# KiCad board NoU2-panelized2.kicad_pcb (continued)
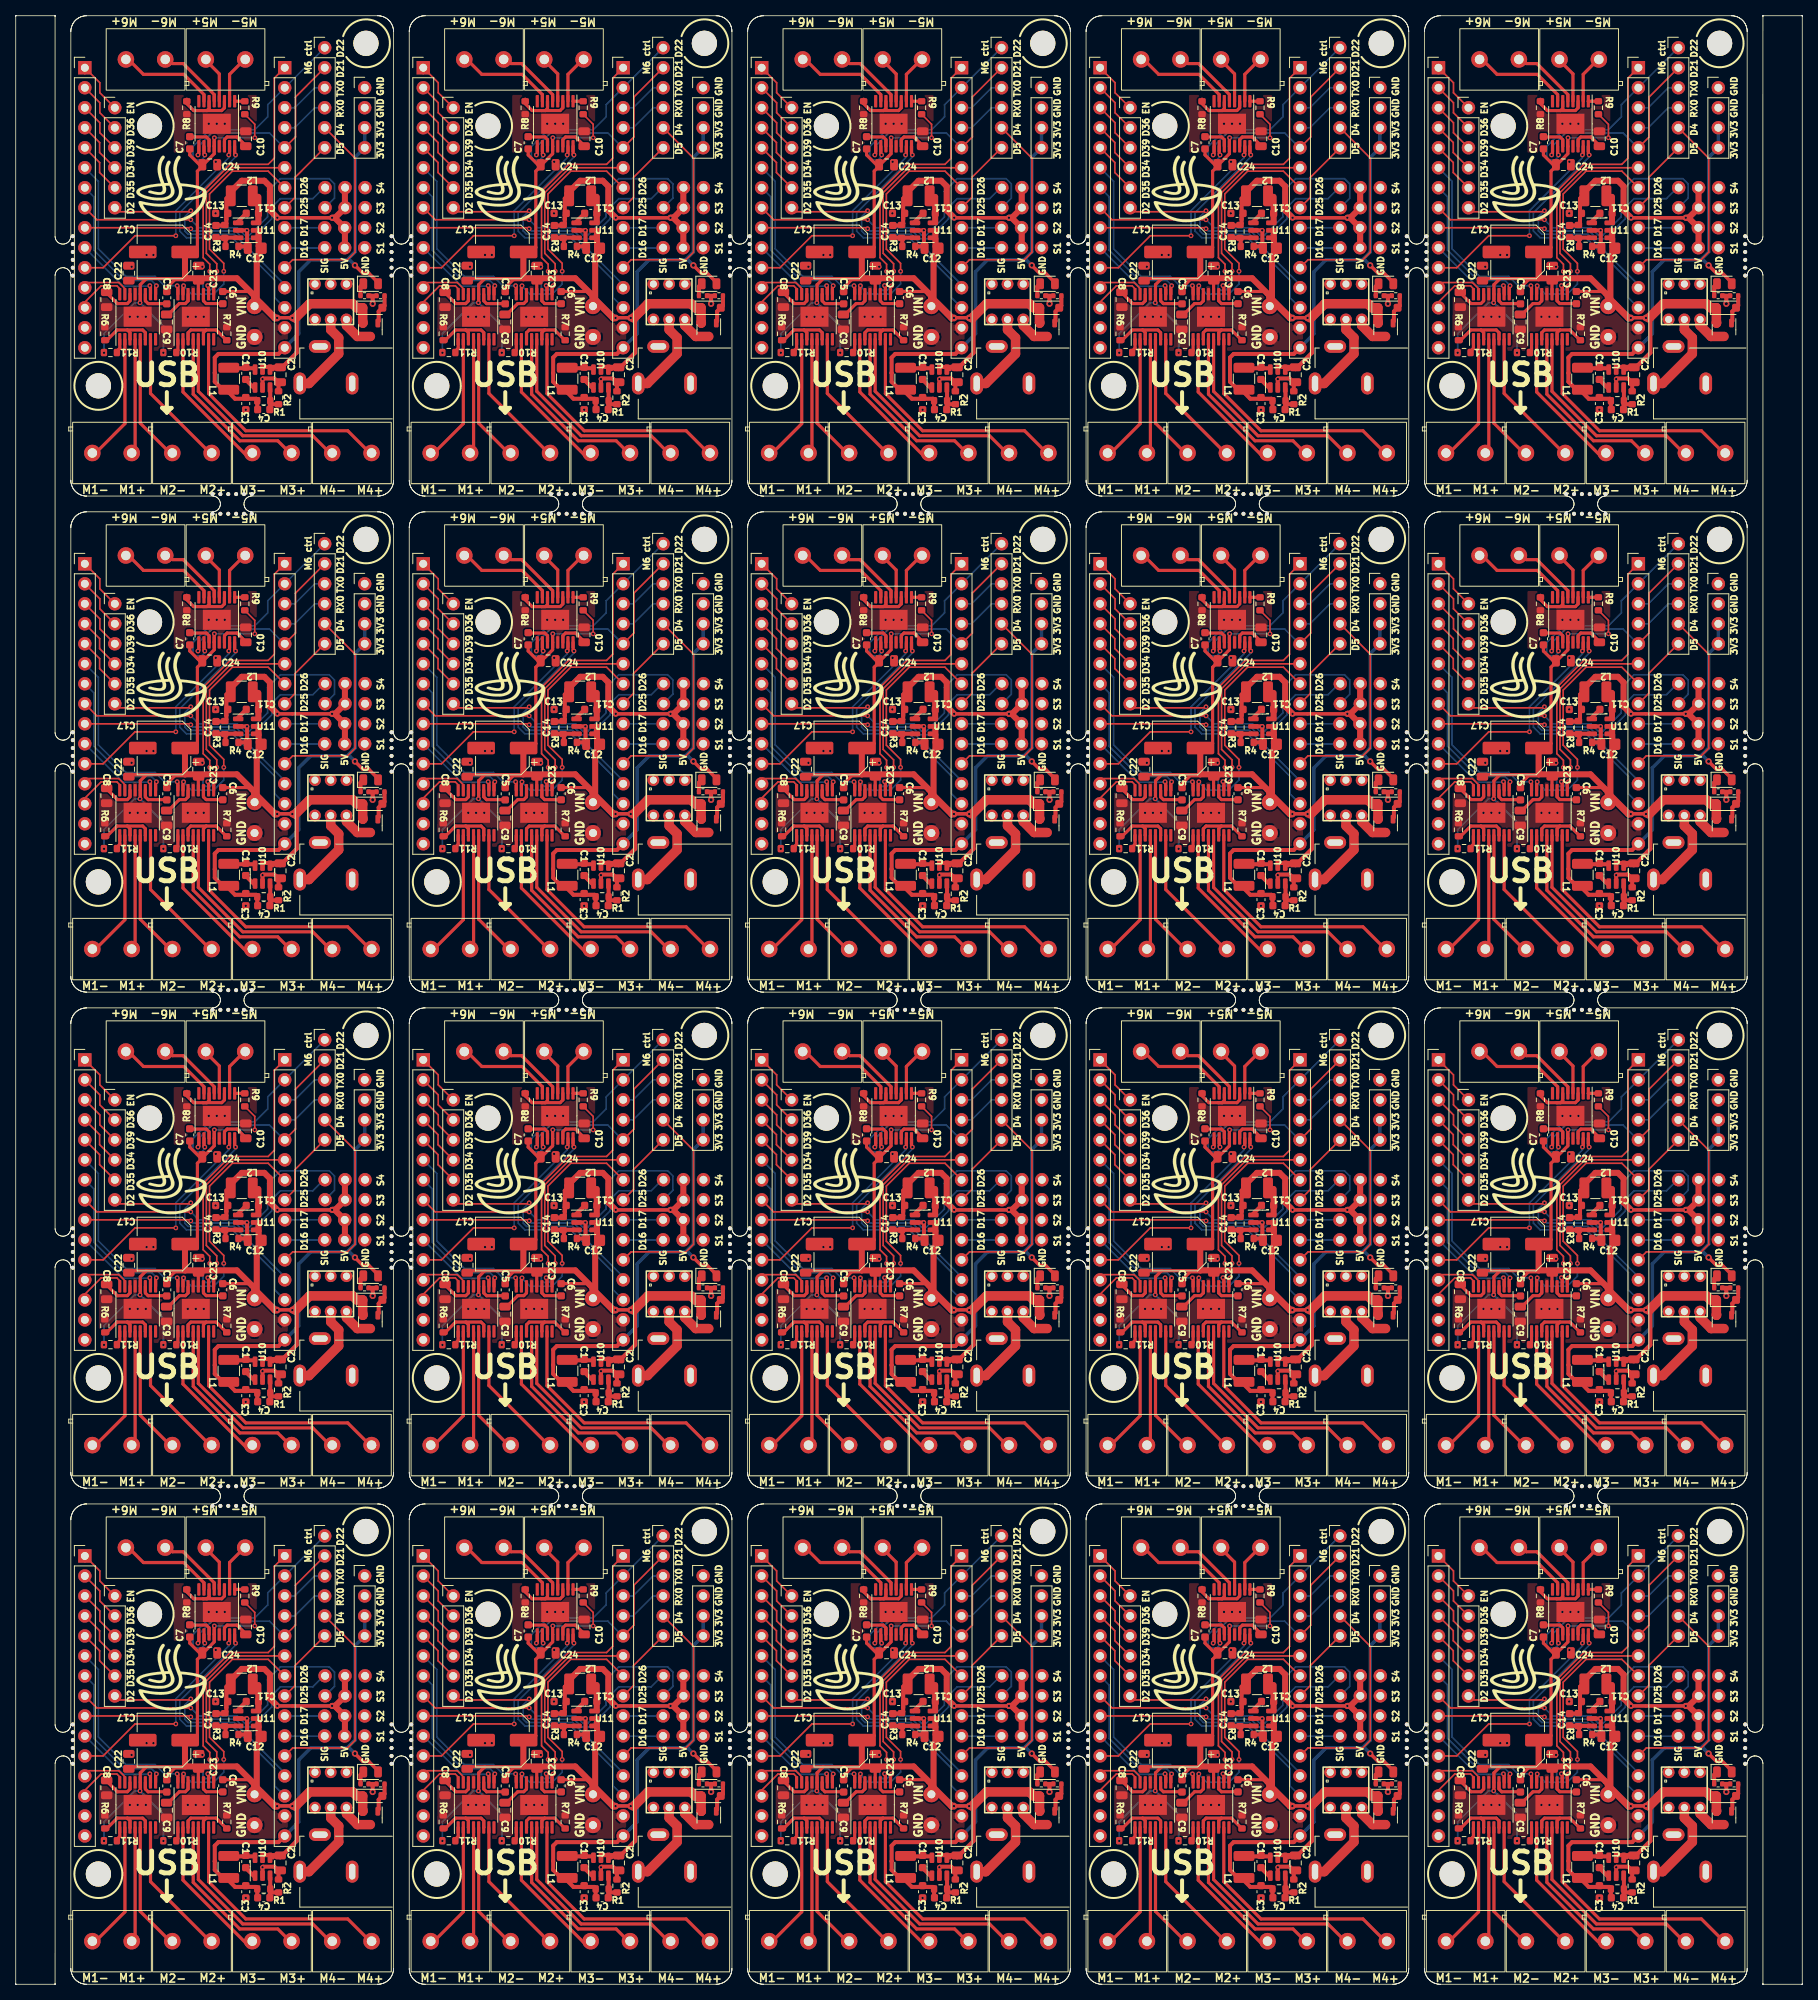
[diagram p0: board, top side]
## Nets (continued)
Board_2-Net-(U10-FB): C4#18.1 R1#9.2 R2#15.1 U10#3.3
Board_2-Net-(U10-LX): C1#18.1 L1#11.1 U10#3.6
Board_2-Net-(U11-BS): C11#17.2 U11#10.1
Board_2-Net-(U11-FB): C14#6.1 R3#19.2 R4#11.1 U11#10.3
Board_2-Net-(U11-LX): C11#17.1 L2#11.1 U11#10.6
Board_2-RX0: J1#11.4 J5#11.4
Board_2-SRV1: J5#11.10 U18#3.4
Board_2-SRV2: J5#11.9 U18#3.3
Board_2-SRV3: J2#14.8 U17#19.4
Board_2-SRV4: J2#14.9 U17#19.3
Board_2-TX0: J1#11.3 J5#11.3
Board_2-unconnected-(U1-nFAULT-Pad8): U1#7.8
Board_2-unconnected-(U2-nFAULT-Pad8): U2#3.8
Board_2-unconnected-(U3-nFAULT-Pad8): U3#12.8
Board_2-unconnected-(U4-Pad1): U4#11.1
Board_2-unconnected-(U4-Pad2): U4#11.2
Board_2-unconnected-(U4-Pad3): U4#11.3
Board_2-unconnected-(U4-Pad4): U4#11.4
Board_2-VIN: C2#17.2 C5#18.1 C6.1 C7#19.1 C12.2 C17#14.1 C22#3.1 C23#7.1 C24#10.1 D3#2.1 J14#4.1 Q1#4.2 R9#9.2 R10#7.2 R11#14.2 U1#7.12 U2#3.12 U3#12.12 U10#3.4 U10#3.5 U11#10.4 U11#10.5
Board_3-3V3: C3#13.2 C4#10.2 D1#20.2 J3#2.3 J3#2.4 J5.15 L1#9.2 R1.1
Board_3-5V: C13#2.2 C14#18.2 L2#13.2 R3.1 U17#5.1 U18#8.1
Board_3-/Sheet6057E9B8/D34: J2#15.4 J4#8.4
Board_3-/Sheet6057E9B8/D35: J2#15.5 J4#8.5
Board_3-/Sheet6057E9B8/D36: J2#15.2 J4#8.2
Board_3-/Sheet6057E9B8/D39: J2#15.3 J4#8.3
Board_3-/Sheet6057E9B8/EN: J2#15.1 J4#8.1
Board_3-/Sheet6057E9B8/EVIN: J2#15.15
Board_3-D2: J4#8.6 J5.12
Board_3-D4: J1#5.5 J5.11
Board_3-D5: J1#5.6 J5.8
Board_3-GND: C2#9.1 C3#13.1 C8#3.2 C9#12.2 C10#4.2 C12#15.1 C13#2.1 C17#2.2 C22.2 C23#6.2 C24#5.2 J2#15.14 J3#2.1 J3#2.2 J5.14 J10#13.2 J13#6.1 R2#17.2 R4#13.2 R5#15.2 R6#9.1 R7#10.1 R8.1 R14.2 U1#2.13 U1#2.17 U2#4.13 U2#4.17 U3#13.13 U3#13.17 U10.2 U11#11.2 U17#5.2 U18#8.2
Board_3-M1A: J2#15.13 U1#2.16
Board_3-M1B: J2#15.12 U1#2.15
Board_3-M2A: J2#15.10 U1#2.10
Board_3-M2B: J2#15.7 U1#2.9
Board_3-M3A: J2#15.6 U3#13.16
Board_3-M3B: J5.7 U3#13.15
Board_3-M4A: J5.6 U3#13.10
Board_3-M4B: J5.1 U3#13.9
Board_3-M5A: J5.13 U2#4.16
Board_3-M5B: J2#15.11 U2#4.15
Board_3-M6A: J1#5.1 J5.2 U2#4.10
Board_3-M6B: J1#5.2 J5.5 U2#4.9
Board_3-Net-(D1-K): D1#20.1 R14.1
Board_3-Net-(D3-A): D3#17.2 Q1#10.1 R5#15.1
Board_3-Net-(J10-Pad1): J10#13.1 U4#17.5
Board_3-Net-(J11-Pin_1): J11#8.1 U1#2.4
Board_3-Net-(J11-Pin_2): J11#8.2 U1#2.2
Board_3-Net-(J15-Pin_1): J15#13.1 U1#2.7
Board_3-Net-(J15-Pin_2): J15#13.2 U1#2.5
Board_3-Net-(J16-Pin_1): J16#11.1 U3#13.4
Board_3-Net-(J16-Pin_2): J16#11.2 U3#13.2
Board_3-Net-(J17-Pin_1): J17#10.1 U3#13.7
Board_3-Net-(J17-Pin_2): J17#10.2 U3#13.5
Board_3-Net-(J18-Pin_1): J18#6.1 U2#4.4
Board_3-Net-(J18-Pin_2): J18#6.2 U2#4.2
Board_3-Net-(J19-Pin_1): J19#6.1 U2#4.7
Board_3-Net-(J19-Pin_2): J19#6.2 U2#4.5
Board_3-Net-(Q1-D): Q1#10.3 U4#17.6
Board_3-Net-(U1-AISEN): R6#9.2 U1#2.3 U1#2.6
Board_3-Net-(U1-nSLEEP): R11.1 U1#2.1
Board_3-Net-(U1-VCP): C5#6.2 U1#2.11
Board_3-Net-(U1-VINT): C8#3.1 U1#2.14
Board_3-Net-(U2-AISEN): R8.2 U2#4.3 U2#4.6
Board_3-Net-(U2-nSLEEP): R9#14.1 U2#4.1
Board_3-Net-(U2-VCP): C7#6.2 U2#4.11
Board_3-Net-(U2-VINT): C10#4.1 U2#4.14
Board_3-Net-(U3-AISEN): R7#10.2 U3#13.3 U3#13.6
Board_3-Net-(U3-nSLEEP): R10#18.1 U3#13.1
Board_3-Net-(U3-VCP): C6#9.2 U3#13.11
Board_3-Net-(U3-VINT): C9#12.1 U3#13.14
Board_3-Net-(U10-BS): C1#10.2 U10.1
Board_3-Net-(U10-FB): C4#10.1 R1.2 R2#17.1 U10.3
Board_3-Net-(U10-LX): C1#10.1 L1#9.1 U10.6
Board_3-Net-(U11-BS): C11#2.2 U11#11.1
Board_3-Net-(U11-FB): C14#18.1 R3.2 R4#13.1 U11#11.3
Board_3-Net-(U11-LX): C11#2.1 L2#13.1 U11#11.6
Board_3-RX0: J1#5.4 J5.4
Board_3-SRV1: J5.10 U18#8.4
Board_3-SRV2: J5.9 U18#8.3
Board_3-SRV3: J2#15.8 U17#5.4
Board_3-SRV4: J2#15.9 U17#5.3
Board_3-TX0: J1#5.3 J5.3
Board_3-unconnected-(U1-nFAULT-Pad8): U1#2.8
Board_3-unconnected-(U2-nFAULT-Pad8): U2#4.8
Board_3-unconnected-(U3-nFAULT-Pad8): U3#13.8
Board_3-unconnected-(U4-Pad1): U4#17.1
Board_3-unconnected-(U4-Pad2): U4#17.2
Board_3-unconnected-(U4-Pad3): U4#17.3
Board_3-unconnected-(U4-Pad4): U4#17.4
Board_3-VIN: C2#9.2 C5#6.1 C6#9.1 C7#6.1 C12#15.2 C17#2.1 C22.1 C23#6.1 C24#5.1 D3#17.1 J14#7.1 Q1#10.2 R9#14.2 R10#18.2 R11.2 U1#2.12 U2#4.12 U3#13.12 U10.4 U10.5 U11#11.4 U11#11.5
Board_4-3V3: C3#4.2 C4#19.2 D1#8.2 J3#18.3 J3#18.4 J5#2.15 L1.2 R1#4.1
Board_4-5V: C13.2 C14#4.2 L2#8.2 R3#15.1 U17.1 U18#14.1
Board_4-/Sheet6057E9B8/D34: J2#16.4 J4#6.4
Board_4-/Sheet6057E9B8/D35: J2#16.5 J4#6.5
Board_4-/Sheet6057E9B8/D36: J2#16.2 J4#6.2
Board_4-/Sheet6057E9B8/D39: J2#16.3 J4#6.3
Board_4-/Sheet6057E9B8/EN: J2#16.1 J4#6.1
Board_4-/Sheet6057E9B8/EVIN: J2#16.15
Board_4-D2: J4#6.6 J5#2.12
Board_4-D4: J1#6.5 J5#2.11
Board_4-D5: J1#6.6 J5#2.8
Board_4-GND: C2#10.1 C3#4.1 C8#6.2 C9#4.2 C10#19.2 C12#13.1 C13.1 C17#5.2 C22#9.2 C23#12.2 C24#2.2 J2#16.14 J3#18.1 J3#18.2 J5#2.14 J10#19.2 J13#3.1 R2#9.2 R4#14.2 R5#11.2 R6#11.1 R7#2.1 R8#9.1 R14#10.2 U1#8.13 U1#8.17 U2#2.13 U2#2.17 U3#11.13 U3#11.17 U10#17.2 U11#7.2 U17.2 U18#14.2
Board_4-M1A: J2#16.13 U1#8.16
Board_4-M1B: J2#16.12 U1#8.15
Board_4-M2A: J2#16.10 U1#8.10
Board_4-M2B: J2#16.7 U1#8.9
Board_4-M3A: J2#16.6 U3#11.16
Board_4-M3B: J5#2.7 U3#11.15
Board_4-M4A: J5#2.6 U3#11.10
Board_4-M4B: J5#2.1 U3#11.9
Board_4-M5A: J5#2.13 U2#2.16
Board_4-M5B: J2#16.11 U2#2.15
Board_4-M6A: J1#6.1 J5#2.2 U2#2.10
Board_4-M6B: J1#6.2 J5#2.5 U2#2.9
Board_4-Net-(D1-K): D1#8.1 R14#10.1
Board_4-Net-(D3-A): D3#11.2 Q1#8.1 R5#11.1
Board_4-Net-(J10-Pad1): J10#19.1 U4#14.5
Board_4-Net-(J11-Pin_1): J11#4.1 U1#8.4
Board_4-Net-(J11-Pin_2): J11#4.2 U1#8.2
Board_4-Net-(J15-Pin_1): J15#15.1 U1#8.7
Board_4-Net-(J15-Pin_2): J15#15.2 U1#8.5
Board_4-Net-(J16-Pin_1): J16#3.1 U3#11.4
Board_4-Net-(J16-Pin_2): J16#3.2 U3#11.2
Board_4-Net-(J17-Pin_1): J17.1 U3#11.7
Board_4-Net-(J17-Pin_2): J17.2 U3#11.5
Board_4-Net-(J18-Pin_1): J18#11.1 U2#2.4
Board_4-Net-(J18-Pin_2): J18#11.2 U2#2.2
Board_4-Net-(J19-Pin_1): J19#13.1 U2#2.7
Board_4-Net-(J19-Pin_2): J19#13.2 U2#2.5
Board_4-Net-(Q1-D): Q1#8.3 U4#14.6
Board_4-Net-(U1-AISEN): R6#11.2 U1#8.3 U1#8.6
Board_4-Net-(U1-nSLEEP): R11#10.1 U1#8.1
Board_4-Net-(U1-VCP): C5#5.2 U1#8.11
Board_4-Net-(U1-VINT): C8#6.1 U1#8.14
Board_4-Net-(U2-AISEN): R8#9.2 U2#2.3 U2#2.6
Board_4-Net-(U2-nSLEEP): R9#12.1 U2#2.1
Board_4-Net-(U2-VCP): C7#10.2 U2#2.11
Board_4-Net-(U2-VINT): C10#19.1 U2#2.14
Board_4-Net-(U3-AISEN): R7#2.2 U3#11.3 U3#11.6
Board_4-Net-(U3-nSLEEP): R10#14.1 U3#11.1
Board_4-Net-(U3-VCP): C6#2.2 U3#11.11
Board_4-Net-(U3-VINT): C9#4.1 U3#11.14
Board_4-Net-(U10-BS): C1#9.2 U10#17.1
Board_4-Net-(U10-FB): C4#19.1 R1#4.2 R2#9.1 U10#17.3
Board_4-Net-(U10-LX): C1#9.1 L1.1 U10#17.6
Board_4-Net-(U11-BS): C11#11.2 U11#7.1
Board_4-Net-(U11-FB): C14#4.1 R3#15.2 R4#14.1 U11#7.3
Board_4-Net-(U11-LX): C11#11.1 L2#8.1 U11#7.6
Board_4-RX0: J1#6.4 J5#2.4
Board_4-SRV1: J5#2.10 U18#14.4
Board_4-SRV2: J5#2.9 U18#14.3
Board_4-SRV3: J2#16.8 U17.4
Board_4-SRV4: J2#16.9 U17.3
Board_4-TX0: J1#6.3 J5#2.3
Board_4-unconnected-(U1-nFAULT-Pad8): U1#8.8
Board_4-unconnected-(U2-nFAULT-Pad8): U2#2.8
Board_4-unconnected-(U3-nFAULT-Pad8): U3#11.8
Board_4-unconnected-(U4-Pad1): U4#14.1
Board_4-unconnected-(U4-Pad2): U4#14.2
Board_4-unconnected-(U4-Pad3): U4#14.3
Board_4-unconnected-(U4-Pad4): U4#14.4
Board_4-VIN: C2#10.2 C5#5.1 C6#2.1 C7#10.1 C12#13.2 C17#5.1 C22#9.1 C23#12.1 C24#2.1 D3#11.1 J14#9.1 Q1#8.2 R9#12.2 R10#14.2 R11#10.2 U1#8.12 U2#2.12 U3#11.12 U10#17.4 U10#17.5 U11#7.4 U11#7.5
Board_5-3V3: C3#18.2 C4#17.2 D1#9.2 J3#4.3 J3#4.4 J5#12.15 L1#20.2 R1#20.1
Board_5-5V: C13#20.2 C14.2 L2#12.2 R3#9.1 U17#8.1 U18#12.1
Board_5-/Sheet6057E9B8/D34: J2#3.4 J4#16.4
Board_5-/Sheet6057E9B8/D35: J2#3.5 J4#16.5
Board_5-/Sheet6057E9B8/D36: J2#3.2 J4#16.2
Board_5-/Sheet6057E9B8/D39: J2#3.3 J4#16.3
Board_5-/Sheet6057E9B8/EN: J2#3.1 J4#16.1
Board_5-/Sheet6057E9B8/EVIN: J2#3.15
Board_5-D2: J4#16.6 J5#12.12
Board_5-D4: J1#14.5 J5#12.11
Board_5-D5: J1#14.6 J5#12.8
Board_5-GND: C2#12.1 C3#18.1 C8#9.2 C9#2.2 C10#8.2 C12#5.1 C13#20.1 C17#12.2 C22#10.2 C23#13.2 C24#12.2 J2#3.14 J3#4.1 J3#4.2 J5#12.14 J10#5.2 J13#9.1 R2#19.2 R4#10.2 R5#12.2 R6#10.1 R7#15.1 R8#20.1 R14#19.2 U1#14.13 U1#14.17 U2.13 U2.17 U3#9.13 U3#9.17 U10#10.2 U11#13.2 U17#8.2 U18#12.2
Board_5-M1A: J2#3.13 U1#14.16
Board_5-M1B: J2#3.12 U1#14.15
Board_5-M2A: J2#3.10 U1#14.10
Board_5-M2B: J2#3.7 U1#14.9
Board_5-M3A: J2#3.6 U3#9.16
Board_5-M3B: J5#12.7 U3#9.15
Board_5-M4A: J5#12.6 U3#9.10
Board_5-M4B: J5#12.1 U3#9.9
Board_5-M5A: J5#12.13 U2.16
Board_5-M5B: J2#3.11 U2.15
Board_5-M6A: J1#14.1 J5#12.2 U2.10
Board_5-M6B: J1#14.2 J5#12.5 U2.9
Board_5-Net-(D1-K): D1#9.1 R14#19.1
Board_5-Net-(D3-A): D3#19.2 Q1#5.1 R5#12.1
Board_5-Net-(J10-Pad1): J10#5.1 U4#13.5
Board_5-Net-(J11-Pin_1): J11#7.1 U1#14.4
Board_5-Net-(J11-Pin_2): J11#7.2 U1#14.2
Board_5-Net-(J15-Pin_1): J15#14.1 U1#14.7
Board_5-Net-(J15-Pin_2): J15#14.2 U1#14.5
Board_5-Net-(J16-Pin_1): J16#6.1 U3#9.4
Board_5-Net-(J16-Pin_2): J16#6.2 U3#9.2
Board_5-Net-(J17-Pin_1): J17#3.1 U3#9.7
Board_5-Net-(J17-Pin_2): J17#3.2 U3#9.5
Board_5-Net-(J18-Pin_1): J18#5.1 U2.4
Board_5-Net-(J18-Pin_2): J18#5.2 U2.2
Board_5-Net-(J19-Pin_1): J19#19.1 U2.7
Board_5-Net-(J19-Pin_2): J19#19.2 U2.5
Board_5-Net-(Q1-D): Q1#5.3 U4#13.6
Board_5-Net-(U1-AISEN): R6#10.2 U1#14.3 U1#14.6
Board_5-Net-(U1-nSLEEP): R11#2.1 U1#14.1
Board_5-Net-(U1-VCP): C5#11.2 U1#14.11
Board_5-Net-(U1-VINT): C8#9.1 U1#14.14
Board_5-Net-(U2-AISEN): R8#20.2 U2.3 U2.6
Board_5-Net-(U2-nSLEEP): R9#7.1 U2.1
Board_5-Net-(U2-VCP): C7#16.2 U2.11
Board_5-Net-(U2-VINT): C10#8.1 U2.14
Board_5-Net-(U3-AISEN): R7#15.2 U3#9.3 U3#9.6
Board_5-Net-(U3-nSLEEP): R10#16.1 U3#9.1
Board_5-Net-(U3-VCP): C6#6.2 U3#9.11
Board_5-Net-(U3-VINT): C9#2.1 U3#9.14
Board_5-Net-(U10-BS): C1#5.2 U10#10.1
Board_5-Net-(U10-FB): C4#17.1 R1#20.2 R2#19.1 U10#10.3
Board_5-Net-(U10-LX): C1#5.1 L1#20.1 U10#10.6
Board_5-Net-(U11-BS): C11#5.2 U11#13.1
Board_5-Net-(U11-FB): C14.1 R3#9.2 R4#10.1 U11#13.3
Board_5-Net-(U11-LX): C11#5.1 L2#12.1 U11#13.6
Board_5-RX0: J1#14.4 J5#12.4
Board_5-SRV1: J5#12.10 U18#12.4
Board_5-SRV2: J5#12.9 U18#12.3
Board_5-SRV3: J2#3.8 U17#8.4
Board_5-SRV4: J2#3.9 U17#8.3
Board_5-TX0: J1#14.3 J5#12.3
Board_5-unconnected-(U1-nFAULT-Pad8): U1#14.8
Board_5-unconnected-(U2-nFAULT-Pad8): U2.8
Board_5-unconnected-(U3-nFAULT-Pad8): U3#9.8
Board_5-unconnected-(U4-Pad1): U4#13.1
Board_5-unconnected-(U4-Pad2): U4#13.2
Board_5-unconnected-(U4-Pad3): U4#13.3
Board_5-unconnected-(U4-Pad4): U4#13.4
Board_5-VIN: C2#12.2 C5#11.1 C6#6.1 C7#16.1 C12#5.2 C17#12.1 C22#10.1 C23#13.1 C24#12.1 D3#19.1 J14#8.1 Q1#5.2 R9#7.2 R10#16.2 R11#2.2 U1#14.12 U2.12 U3#9.12 U10#10.4 U10#10.5 U11#13.4 U11#13.5
Board_6-3V3: C3#8.2 C4#11.2 D1#3.2 J3#14.3 J3#14.4 J5#9.15 L1#19.2 R1#18.1
Board_6-5V: C13#15.2 C14#3.2 L2#2.2 R3#8.1 U17#7.1 U18#4.1
Board_6-/Sheet6057E9B8/D34: J2#18.4 J4.4
Board_6-/Sheet6057E9B8/D35: J2#18.5 J4.5
Board_6-/Sheet6057E9B8/D36: J2#18.2 J4.2
Board_6-/Sheet6057E9B8/D39: J2#18.3 J4.3
Board_6-/Sheet6057E9B8/EN: J2#18.1 J4.1
Board_6-/Sheet6057E9B8/EVIN: J2#18.15
Board_6-D2: J4.6 J5#9.12
Board_6-D4: J1#12.5 J5#9.11
Board_6-D5: J1#12.6 J5#9.8
Board_6-GND: C2#6.1 C3#8.1 C8#13.2 C9#5.2 C10.2 C12#11.1 C13#15.1 C17#15.2 C22#8.2 C23#2.2 C24#11.2 J2#18.14 J3#14.1 J3#14.2 J5#9.14 J10#7.2 J13#7.1 R2#2.2 R4#2.2 R5#7.2 R6#2.1 R7#12.1 R8#3.1 R14#11.2 U1#5.13 U1#5.17 U2#19.13 U2#19.17 U3#10.13 U3#10.17 U10#18.2 U11#12.2 U17#7.2 U18#4.2
Board_6-M1A: J2#18.13 U1#5.16
Board_6-M1B: J2#18.12 U1#5.15
Board_6-M2A: J2#18.10 U1#5.10
Board_6-M2B: J2#18.7 U1#5.9
Board_6-M3A: J2#18.6 U3#10.16
Board_6-M3B: J5#9.7 U3#10.15
Board_6-M4A: J5#9.6 U3#10.10
Board_6-M4B: J5#9.1 U3#10.9
Board_6-M5A: J5#9.13 U2#19.16
Board_6-M5B: J2#18.11 U2#19.15
Board_6-M6A: J1#12.1 J5#9.2 U2#19.10
Board_6-M6B: J1#12.2 J5#9.5 U2#19.9
Board_6-Net-(D1-K): D1#3.1 R14#11.1
Board_6-Net-(D3-A): D3.2 Q1#6.1 R5#7.1
Board_6-Net-(J10-Pad1): J10#7.1 U4#3.5
Board_6-Net-(J11-Pin_1): J11#2.1 U1#5.4
Board_6-Net-(J11-Pin_2): J11#2.2 U1#5.2
Board_6-Net-(J15-Pin_1): J15#11.1 U1#5.7
Board_6-Net-(J15-Pin_2): J15#11.2 U1#5.5
Board_6-Net-(J16-Pin_1): J16#9.1 U3#10.4
Board_6-Net-(J16-Pin_2): J16#9.2 U3#10.2
Board_6-Net-(J17-Pin_1): J17#5.1 U3#10.7
Board_6-Net-(J17-Pin_2): J17#5.2 U3#10.5
Board_6-Net-(J18-Pin_1): J18#19.1 U2#19.4
Board_6-Net-(J18-Pin_2): J18#19.2 U2#19.2
Board_6-Net-(J19-Pin_1): J19#14.1 U2#19.7
Board_6-Net-(J19-Pin_2): J19#14.2 U2#19.5
Board_6-Net-(Q1-D): Q1#6.3 U4#3.6
Board_6-Net-(U1-AISEN): R6#2.2 U1#5.3 U1#5.6
Board_6-Net-(U1-nSLEEP): R11#7.1 U1#5.1
Board_6-Net-(U1-VCP): C5#9.2 U1#5.11
Board_6-Net-(U1-VINT): C8#13.1 U1#5.14
Board_6-Net-(U2-AISEN): R8#3.2 U2#19.3 U2#19.6
Board_6-Net-(U2-nSLEEP): R9#6.1 U2#19.1
Board_6-Net-(U2-VCP): C7#9.2 U2#19.11
Board_6-Net-(U2-VINT): C10.1 U2#19.14
Board_6-Net-(U3-AISEN): R7#12.2 U3#10.3 U3#10.6
Board_6-Net-(U3-nSLEEP): R10.1 U3#10.1
Board_6-Net-(U3-VCP): C6#15.2 U3#10.11
Board_6-Net-(U3-VINT): C9#5.1 U3#10.14
Board_6-Net-(U10-BS): C1#6.2 U10#18.1
Board_6-Net-(U10-FB): C4#11.1 R1#18.2 R2#2.1 U10#18.3
Board_6-Net-(U10-LX): C1#6.1 L1#19.1 U10#18.6
Board_6-Net-(U11-BS): C11#4.2 U11#12.1
Board_6-Net-(U11-FB): C14#3.1 R3#8.2 R4#2.1 U11#12.3
Board_6-Net-(U11-LX): C11#4.1 L2#2.1 U11#12.6
Board_6-RX0: J1#12.4 J5#9.4
Board_6-SRV1: J5#9.10 U18#4.4
Board_6-SRV2: J5#9.9 U18#4.3
Board_6-SRV3: J2#18.8 U17#7.4
Board_6-SRV4: J2#18.9 U17#7.3
Board_6-TX0: J1#12.3 J5#9.3
Board_6-unconnected-(U1-nFAULT-Pad8): U1#5.8
Board_6-unconnected-(U2-nFAULT-Pad8): U2#19.8
Board_6-unconnected-(U3-nFAULT-Pad8): U3#10.8
Board_6-unconnected-(U4-Pad1): U4#3.1
Board_6-unconnected-(U4-Pad2): U4#3.2
Board_6-unconnected-(U4-Pad3): U4#3.3
Board_6-unconnected-(U4-Pad4): U4#3.4
Board_6-VIN: C2#6.2 C5#9.1 C6#15.1 C7#9.1 C12#11.2 C17#15.1 C22#8.1 C23#2.1 C24#11.1 D3.1 J14#5.1 Q1#6.2 R9#6.2 R10.2 R11#7.2 U1#5.12 U2#19.12 U3#10.12 U10#18.4 U10#18.5 U11#12.4 U11#12.5
Board_7-3V3: C3#11.2 C4#12.2 D1#7.2 J3#15.3 J3#15.4 J5#10.15 L1#16.2 R1#19.1
Board_7-5V: C13#4.2 C14#2.2 L2.2 R3#20.1 U17#13.1 U18#7.1
Board_7-/Sheet6057E9B8/D34: J2#2.4 J4#10.4
Board_7-/Sheet6057E9B8/D35: J2#2.5 J4#10.5
Board_7-/Sheet6057E9B8/D36: J2#2.2 J4#10.2
Board_7-/Sheet6057E9B8/D39: J2#2.3 J4#10.3
Board_7-/Sheet6057E9B8/EN: J2#2.1 J4#10.1
Board_7-/Sheet6057E9B8/EVIN: J2#2.15
Board_7-D2: J4#10.6 J5#10.12
Board_7-D4: J1#15.5 J5#10.11
Board_7-D5: J1#15.6 J5#10.8
Board_7-GND: C2.1 C3#11.1 C8#12.2 C9#15.2 C10#16.2 C12#2.1 C13#4.1 C17#19.2 C22#16.2 C23#10.2 C24#14.2 J2#2.14 J3#15.1 J3#15.2 J5#10.14 J10#8.2 J13#13.1 R2.2 R4#12.2 R5#14.2 R6#14.1 R7#6.1 R8#12.1 R14#2.2 U1#10.13 U1#10.17 U2#8.13 U2#8.17 U3#15.13 U3#15.17 U10#9.2 U11#2.2 U17#13.2 U18#7.2
Board_7-M1A: J2#2.13 U1#10.16
Board_7-M1B: J2#2.12 U1#10.15
Board_7-M2A: J2#2.10 U1#10.10
Board_7-M2B: J2#2.7 U1#10.9
Board_7-M3A: J2#2.6 U3#15.16
Board_7-M3B: J5#10.7 U3#15.15
Board_7-M4A: J5#10.6 U3#15.10
Board_7-M4B: J5#10.1 U3#15.9
Board_7-M5A: J5#10.13 U2#8.16
Board_7-M5B: J2#2.11 U2#8.15
Board_7-M6A: J1#15.1 J5#10.2 U2#8.10
Board_7-M6B: J1#15.2 J5#10.5 U2#8.9
Board_7-Net-(D1-K): D1#7.1 R14#2.1
Board_7-Net-(D3-A): D3#4.2 Q1#3.1 R5#14.1
Board_7-Net-(J10-Pad1): J10#8.1 U4#4.5
Board_7-Net-(J11-Pin_1): J11#10.1 U1#10.4
Board_7-Net-(J11-Pin_2): J11#10.2 U1#10.2
Board_7-Net-(J15-Pin_1): J15#5.1 U1#10.7
Board_7-Net-(J15-Pin_2): J15#5.2 U1#10.5
Board_7-Net-(J16-Pin_1): J16#12.1 U3#15.4
Board_7-Net-(J16-Pin_2): J16#12.2 U3#15.2
Board_7-Net-(J17-Pin_1): J17#13.1 U3#15.7
Board_7-Net-(J17-Pin_2): J17#13.2 U3#15.5
Board_7-Net-(J18-Pin_1): J18#14.1 U2#8.4
Board_7-Net-(J18-Pin_2): J18#14.2 U2#8.2
Board_7-Net-(J19-Pin_1): J19#10.1 U2#8.7
Board_7-Net-(J19-Pin_2): J19#10.2 U2#8.5
Board_7-Net-(Q1-D): Q1#3.3 U4#4.6
Board_7-Net-(U1-AISEN): R6#14.2 U1#10.3 U1#10.6
Board_7-Net-(U1-nSLEEP): R11#19.1 U1#10.1
Board_7-Net-(U1-VCP): C5#4.2 U1#10.11
Board_7-Net-(U1-VINT): C8#12.1 U1#10.14
Board_7-Net-(U2-AISEN): R8#12.2 U2#8.3 U2#8.6
Board_7-Net-(U2-nSLEEP): R9#3.1 U2#8.1
Board_7-Net-(U2-VCP): C7#17.2 U2#8.11
Board_7-Net-(U2-VINT): C10#16.1 U2#8.14
Board_7-Net-(U3-AISEN): R7#6.2 U3#15.3 U3#15.6
Board_7-Net-(U3-nSLEEP): R10#2.1 U3#15.1
Board_7-Net-(U3-VCP): C6#17.2 U3#15.11
Board_7-Net-(U3-VINT): C9#15.1 U3#15.14
Board_7-Net-(U10-BS): C1#3.2 U10#9.1
Board_7-Net-(U10-FB): C4#12.1 R1#19.2 R2.1 U10#9.3
Board_7-Net-(U10-LX): C1#3.1 L1#16.1 U10#9.6
Board_7-Net-(U11-BS): C11#7.2 U11#2.1
Board_7-Net-(U11-FB): C14#2.1 R3#20.2 R4#12.1 U11#2.3
Board_7-Net-(U11-LX): C11#7.1 L2.1 U11#2.6
Board_7-RX0: J1#15.4 J5#10.4
Board_7-SRV1: J5#10.10 U18#7.4
Board_7-SRV2: J5#10.9 U18#7.3
Board_7-SRV3: J2#2.8 U17#13.4
Board_7-SRV4: J2#2.9 U17#13.3
Board_7-TX0: J1#15.3 J5#10.3
Board_7-unconnected-(U1-nFAULT-Pad8): U1#10.8
Board_7-unconnected-(U2-nFAULT-Pad8): U2#8.8
Board_7-unconnected-(U3-nFAULT-Pad8): U3#15.8
Board_7-unconnected-(U4-Pad1): U4#4.1
Board_7-unconnected-(U4-Pad2): U4#4.2
Board_7-unconnected-(U4-Pad3): U4#4.3
Board_7-unconnected-(U4-Pad4): U4#4.4
Board_7-VIN: C2.2 C5#4.1 C6#17.1 C7#17.1 C12#2.2 C17#19.1 C22#16.1 C23#10.1 C24#14.1 D3#4.1 J14#10.1 Q1#3.2 R9#3.2 R10#2.2 R11#19.2 U1#10.12 U2#8.12 U3#15.12 U10#9.4 U10#9.5 U11#2.4 U11#2.5
Board_8-3V3: C3#6.2 C4#4.2 D1#4.2 J3#7.3 J3#7.4 J5#15.15 L1#5.2 R1#16.1
Board_8-5V: C13#7.2 C14#10.2 L2#3.2 R3#14.1 U17#14.1 U18#13.1
Board_8-/Sheet6057E9B8/D34: J2#9.4 J4#17.4
Board_8-/Sheet6057E9B8/D35: J2#9.5 J4#17.5
Board_8-/Sheet6057E9B8/D36: J2#9.2 J4#17.2
Board_8-/Sheet6057E9B8/D39: J2#9.3 J4#17.3
Board_8-/Sheet6057E9B8/EN: J2#9.1 J4#17.1
Board_8-/Sheet6057E9B8/EVIN: J2#9.15
Board_8-D2: J4#17.6 J5#15.12
Board_8-D4: J1#2.5 J5#15.11
Board_8-D5: J1#2.6 J5#15.8
Board_8-GND: C2#8.1 C3#6.1 C8#10.2 C9#8.2 C10#17.2 C12#14.1 C13#7.1 C17#13.2 C22#13.2 C23#9.2 C24#3.2 J2#9.14 J3#7.1 J3#7.2 J5#15.14 J10#11.2 J13#10.1 R2#7.2 R4#9.2 R5#18.2 R6#16.1 R7#9.1 R8#5.1 R14#20.2 U1#19.13 U1#19.17 U2#17.13 U2#17.17 U3#17.13 U3#17.17 U10#5.2 U11.2 U17#14.2 U18#13.2
Board_8-M1A: J2#9.13 U1#19.16
Board_8-M1B: J2#9.12 U1#19.15
Board_8-M2A: J2#9.10 U1#19.10
Board_8-M2B: J2#9.7 U1#19.9
Board_8-M3A: J2#9.6 U3#17.16
Board_8-M3B: J5#15.7 U3#17.15
Board_8-M4A: J5#15.6 U3#17.10
Board_8-M4B: J5#15.1 U3#17.9
Board_8-M5A: J5#15.13 U2#17.16
Board_8-M5B: J2#9.11 U2#17.15
Board_8-M6A: J1#2.1 J5#15.2 U2#17.10
Board_8-M6B: J1#2.2 J5#15.5 U2#17.9
Board_8-Net-(D1-K): D1#4.1 R14#20.1
Board_8-Net-(D3-A): D3#14.2 Q1#18.1 R5#18.1
Board_8-Net-(J10-Pad1): J10#11.1 U4#10.5
Board_8-Net-(J11-Pin_1): J11#13.1 U1#19.4
Board_8-Net-(J11-Pin_2): J11#13.2 U1#19.2
Board_8-Net-(J15-Pin_1): J15#9.1 U1#19.7
Board_8-Net-(J15-Pin_2): J15#9.2 U1#19.5
Board_8-Net-(J16-Pin_1): J16.1 U3#17.4
Board_8-Net-(J16-Pin_2): J16.2 U3#17.2
Board_8-Net-(J17-Pin_1): J17#6.1 U3#17.7
Board_8-Net-(J17-Pin_2): J17#6.2 U3#17.5
Board_8-Net-(J18-Pin_1): J18#18.1 U2#17.4
Board_8-Net-(J18-Pin_2): J18#18.2 U2#17.2
Board_8-Net-(J19-Pin_1): J19#11.1 U2#17.7
Board_8-Net-(J19-Pin_2): J19#11.2 U2#17.5
Board_8-Net-(Q1-D): Q1#18.3 U4#10.6
Board_8-Net-(U1-AISEN): R6#16.2 U1#19.3 U1#19.6
Board_8-Net-(U1-nSLEEP): R11#6.1 U1#19.1
Board_8-Net-(U1-VCP): C5#13.2 U1#19.11
Board_8-Net-(U1-VINT): C8#10.1 U1#19.14
Board_8-Net-(U2-AISEN): R8#5.2 U2#17.3 U2#17.6
Board_8-Net-(U2-nSLEEP): R9#16.1 U2#17.1
Board_8-Net-(U2-VCP): C7#11.2 U2#17.11
Board_8-Net-(U2-VINT): C10#17.1 U2#17.14
Board_8-Net-(U3-AISEN): R7#9.2 U3#17.3 U3#17.6
Board_8-Net-(U3-nSLEEP): R10#3.1 U3#17.1
Board_8-Net-(U3-VCP): C6#5.2 U3#17.11
Board_8-Net-(U3-VINT): C9#8.1 U3#17.14
Board_8-Net-(U10-BS): C1#17.2 U10#5.1
Board_8-Net-(U10-FB): C4#4.1 R1#16.2 R2#7.1 U10#5.3
Board_8-Net-(U10-LX): C1#17.1 L1#5.1 U10#5.6
Board_8-Net-(U11-BS): C11#16.2 U11.1
Board_8-Net-(U11-FB): C14#10.1 R3#14.2 R4#9.1 U11.3
Board_8-Net-(U11-LX): C11#16.1 L2#3.1 U11.6
Board_8-RX0: J1#2.4 J5#15.4
Board_8-SRV1: J5#15.10 U18#13.4
Board_8-SRV2: J5#15.9 U18#13.3
Board_8-SRV3: J2#9.8 U17#14.4
Board_8-SRV4: J2#9.9 U17#14.3
Board_8-TX0: J1#2.3 J5#15.3
Board_8-unconnected-(U1-nFAULT-Pad8): U1#19.8
Board_8-unconnected-(U2-nFAULT-Pad8): U2#17.8
Board_8-unconnected-(U3-nFAULT-Pad8): U3#17.8
Board_8-unconnected-(U4-Pad1): U4#10.1
Board_8-unconnected-(U4-Pad2): U4#10.2
Board_8-unconnected-(U4-Pad3): U4#10.3
Board_8-unconnected-(U4-Pad4): U4#10.4
Board_8-VIN: C2#8.2 C5#13.1 C6#5.1 C7#11.1 C12#14.2 C17#13.1 C22#13.1 C23#9.1 C24#3.1 D3#14.1 J14#12.1 Q1#18.2 R9#16.2 R10#3.2 R11#6.2 U1#19.12 U2#17.12 U3#17.12 U10#5.4 U10#5.5 U11.4 U11.5
Board_9-3V3: C3#15.2 C4#13.2 D1.2 J3#11.3 J3#11.4 J5#6.15 L1#7.2 R1#17.1
Board_9-5V: C13#16.2 C14#5.2 L2#7.2 R3#7.1 U17#9.1 U18#5.1
Board_9-/Sheet6057E9B8/D34: J2#7.4 J4#12.4
Board_9-/Sheet6057E9B8/D35: J2#7.5 J4#12.5
Board_9-/Sheet6057E9B8/D36: J2#7.2 J4#12.2
Board_9-/Sheet6057E9B8/D39: J2#7.3 J4#12.3
Board_9-/Sheet6057E9B8/EN: J2#7.1 J4#12.1
Board_9-/Sheet6057E9B8/EVIN: J2#7.15
Board_9-D2: J4#12.6 J5#6.12
Board_9-D4: J1#7.5 J5#6.11
Board_9-D5: J1#7.6 J5#6.8
Board_9-GND: C2#7.1 C3#15.1 C8#4.2 C9#6.2 C10#11.2 C12#18.1 C13#16.1 C17#10.2 C22#15.2 C23#4.2 C24#4.2 J2#7.14 J3#11.1 J3#11.2 J5#6.14 J10#4.2 J13#8.1 R2#10.2 R4#7.2 R5#3.2 R6#20.1 R7#4.1 R8#7.1 R14#18.2 U1#3.13 U1#3.17 U2#12.13 U2#12.17 U3#3.13 U3#3.17 U10#13.2 U11#14.2 U17#9.2 U18#5.2
Board_9-M1A: J2#7.13 U1#3.16
Board_9-M1B: J2#7.12 U1#3.15
Board_9-M2A: J2#7.10 U1#3.10
Board_9-M2B: J2#7.7 U1#3.9
Board_9-M3A: J2#7.6 U3#3.16
Board_9-M3B: J5#6.7 U3#3.15
Board_9-M4A: J5#6.6 U3#3.10
Board_9-M4B: J5#6.1 U3#3.9
Board_9-M5A: J5#6.13 U2#12.16
Board_9-M5B: J2#7.11 U2#12.15
Board_9-M6A: J1#7.1 J5#6.2 U2#12.10
Board_9-M6B: J1#7.2 J5#6.5 U2#12.9
Board_9-Net-(D1-K): D1.1 R14#18.1
Board_9-Net-(D3-A): D3#10.2 Q1#17.1 R5#3.1
Board_9-Net-(J10-Pad1): J10#4.1 U4#18.5
Board_9-Net-(J11-Pin_1): J11#12.1 U1#3.4
Board_9-Net-(J11-Pin_2): J11#12.2 U1#3.2
Board_9-Net-(J15-Pin_1): J15#4.1 U1#3.7
Board_9-Net-(J15-Pin_2): J15#4.2 U1#3.5
Board_9-Net-(J16-Pin_1): J16#14.1 U3#3.4
Board_9-Net-(J16-Pin_2): J16#14.2 U3#3.2
Board_9-Net-(J17-Pin_1): J17#4.1 U3#3.7
Board_9-Net-(J17-Pin_2): J17#4.2 U3#3.5
Board_9-Net-(J18-Pin_1): J18#12.1 U2#12.4
Board_9-Net-(J18-Pin_2): J18#12.2 U2#12.2
Board_9-Net-(J19-Pin_1): J19#16.1 U2#12.7
Board_9-Net-(J19-Pin_2): J19#16.2 U2#12.5
Board_9-Net-(Q1-D): Q1#17.3 U4#18.6
Board_9-Net-(U1-AISEN): R6#20.2 U1#3.3 U1#3.6
Board_9-Net-(U1-nSLEEP): R11#15.1 U1#3.1
Board_9-Net-(U1-VCP): C5#16.2 U1#3.11
Board_9-Net-(U1-VINT): C8#4.1 U1#3.14
Board_9-Net-(U2-AISEN): R8#7.2 U2#12.3 U2#12.6
Board_9-Net-(U2-nSLEEP): R9#11.1 U2#12.1
Board_9-Net-(U2-VCP): C7#12.2 U2#12.11
Board_9-Net-(U2-VINT): C10#11.1 U2#12.14
Board_9-Net-(U3-AISEN): R7#4.2 U3#3.3 U3#3.6
Board_9-Net-(U3-nSLEEP): R10#13.1 U3#3.1
Board_9-Net-(U3-VCP): C6#10.2 U3#3.11
Board_9-Net-(U3-VINT): C9#6.1 U3#3.14
Board_9-Net-(U10-BS): C1#19.2 U10#13.1
Board_9-Net-(U10-FB): C4#13.1 R1#17.2 R2#10.1 U10#13.3
Board_9-Net-(U10-LX): C1#19.1 L1#7.1 U10#13.6
Board_9-Net-(U11-BS): C11#8.2 U11#14.1
Board_9-Net-(U11-FB): C14#5.1 R3#7.2 R4#7.1 U11#14.3
Board_9-Net-(U11-LX): C11#8.1 L2#7.1 U11#14.6
Board_9-RX0: J1#7.4 J5#6.4
Board_9-SRV1: J5#6.10 U18#5.4
Board_9-SRV2: J5#6.9 U18#5.3
Board_9-SRV3: J2#7.8 U17#9.4
Board_9-SRV4: J2#7.9 U17#9.3
Board_9-TX0: J1#7.3 J5#6.3
Board_9-unconnected-(U1-nFAULT-Pad8): U1#3.8
Board_9-unconnected-(U2-nFAULT-Pad8): U2#12.8
Board_9-unconnected-(U3-nFAULT-Pad8): U3#3.8
Board_9-unconnected-(U4-Pad1): U4#18.1
Board_9-unconnected-(U4-Pad2): U4#18.2
Board_9-unconnected-(U4-Pad3): U4#18.3
Board_9-unconnected-(U4-Pad4): U4#18.4
Board_9-VIN: C2#7.2 C5#16.1 C6#10.1 C7#12.1 C12#18.2 C17#10.1 C22#15.1 C23#4.1 C24#4.1 D3#10.1 J14.1 Q1#17.2 R9#11.2 R10#13.2 R11#15.2 U1#3.12 U2#12.12 U3#3.12 U10#13.4 U10#13.5 U11#14.4 U11#14.5
Board_10-3V3: C3#17.2 C4#5.2 D1#10.2 J3#13.3 J3#13.4 J5#20.15 L1#6.2 R1#11.1
Board_10-5V: C13#6.2 C14#11.2 L2#6.2 R3#3.1 U17#11.1 U18#20.1
Board_10-/Sheet6057E9B8/D34: J2#19.4 J4#13.4
Board_10-/Sheet6057E9B8/D35: J2#19.5 J4#13.5
Board_10-/Sheet6057E9B8/D36: J2#19.2 J4#13.2
Board_10-/Sheet6057E9B8/D39: J2#19.3 J4#13.3
Board_10-/Sheet6057E9B8/EN: J2#19.1 J4#13.1
Board_10-/Sheet6057E9B8/EVIN: J2#19.15
Board_10-D2: J4#13.6 J5#20.12
Board_10-D4: J1.5 J5#20.11
Board_10-D5: J1.6 J5#20.8
Board_10-GND: C2#20.1 C3#17.1 C8#16.2 C9#9.2 C10#20.2 C12#10.1 C13#6.1 C17.2 C22#2.2 C23#5.2 C24#16.2 J2#19.14 J3#13.1 J3#13.2 J5#20.14 J10#16.2 J13#17.1 R2#20.2 R4#17.2 R5.2 R6#15.1 R7#19.1 R8#14.1 R14#8.2 U1#18.13 U1#18.17 U2#14.13 U2#14.17 U3#6.13 U3#6.17 U10#15.2 U11#4.2 U17#11.2 U18#20.2
Board_10-M1A: J2#19.13 U1#18.16
Board_10-M1B: J2#19.12 U1#18.15
Board_10-M2A: J2#19.10 U1#18.10
Board_10-M2B: J2#19.7 U1#18.9
Board_10-M3A: J2#19.6 U3#6.16
Board_10-M3B: J5#20.7 U3#6.15
Board_10-M4A: J5#20.6 U3#6.10
Board_10-M4B: J5#20.1 U3#6.9
Board_10-M5A: J5#20.13 U2#14.16
Board_10-M5B: J2#19.11 U2#14.15
Board_10-M6A: J1.1 J5#20.2 U2#14.10
Board_10-M6B: J1.2 J5#20.5 U2#14.9
Board_10-Net-(D1-K): D1#10.1 R14#8.1
Board_10-Net-(D3-A): D3#13.2 Q1#7.1 R5.1
Board_10-Net-(J10-Pad1): J10#16.1 U4#12.5
Board_10-Net-(J11-Pin_1): J11#11.1 U1#18.4
Board_10-Net-(J11-Pin_2): J11#11.2 U1#18.2
Board_10-Net-(J15-Pin_1): J15.1 U1#18.7
Board_10-Net-(J15-Pin_2): J15.2 U1#18.5
Board_10-Net-(J16-Pin_1): J16#19.1 U3#6.4
Board_10-Net-(J16-Pin_2): J16#19.2 U3#6.2
Board_10-Net-(J17-Pin_1): J17#16.1 U3#6.7
Board_10-Net-(J17-Pin_2): J17#16.2 U3#6.5
Board_10-Net-(J18-Pin_1): J18#15.1 U2#14.4
Board_10-Net-(J18-Pin_2): J18#15.2 U2#14.2
Board_10-Net-(J19-Pin_1): J19#2.1 U2#14.7
Board_10-Net-(J19-Pin_2): J19#2.2 U2#14.5